# Altium PCB MB1635.PcbDoc (part 4 of 10)
Units mm, origin at the board's own origin, x right, y up, seen from the top; angles counter-clockwise.
Board outline 127 x 97 mm, 6 copper layers (Top Layer, Signal Layer 1, Signal Layer 2, Signal Layer 3, Signal Layer 4, Bottom Layer), stack 1.557 mm thick; 593 components, 478 nets, 2435 pads, 1743 vias.
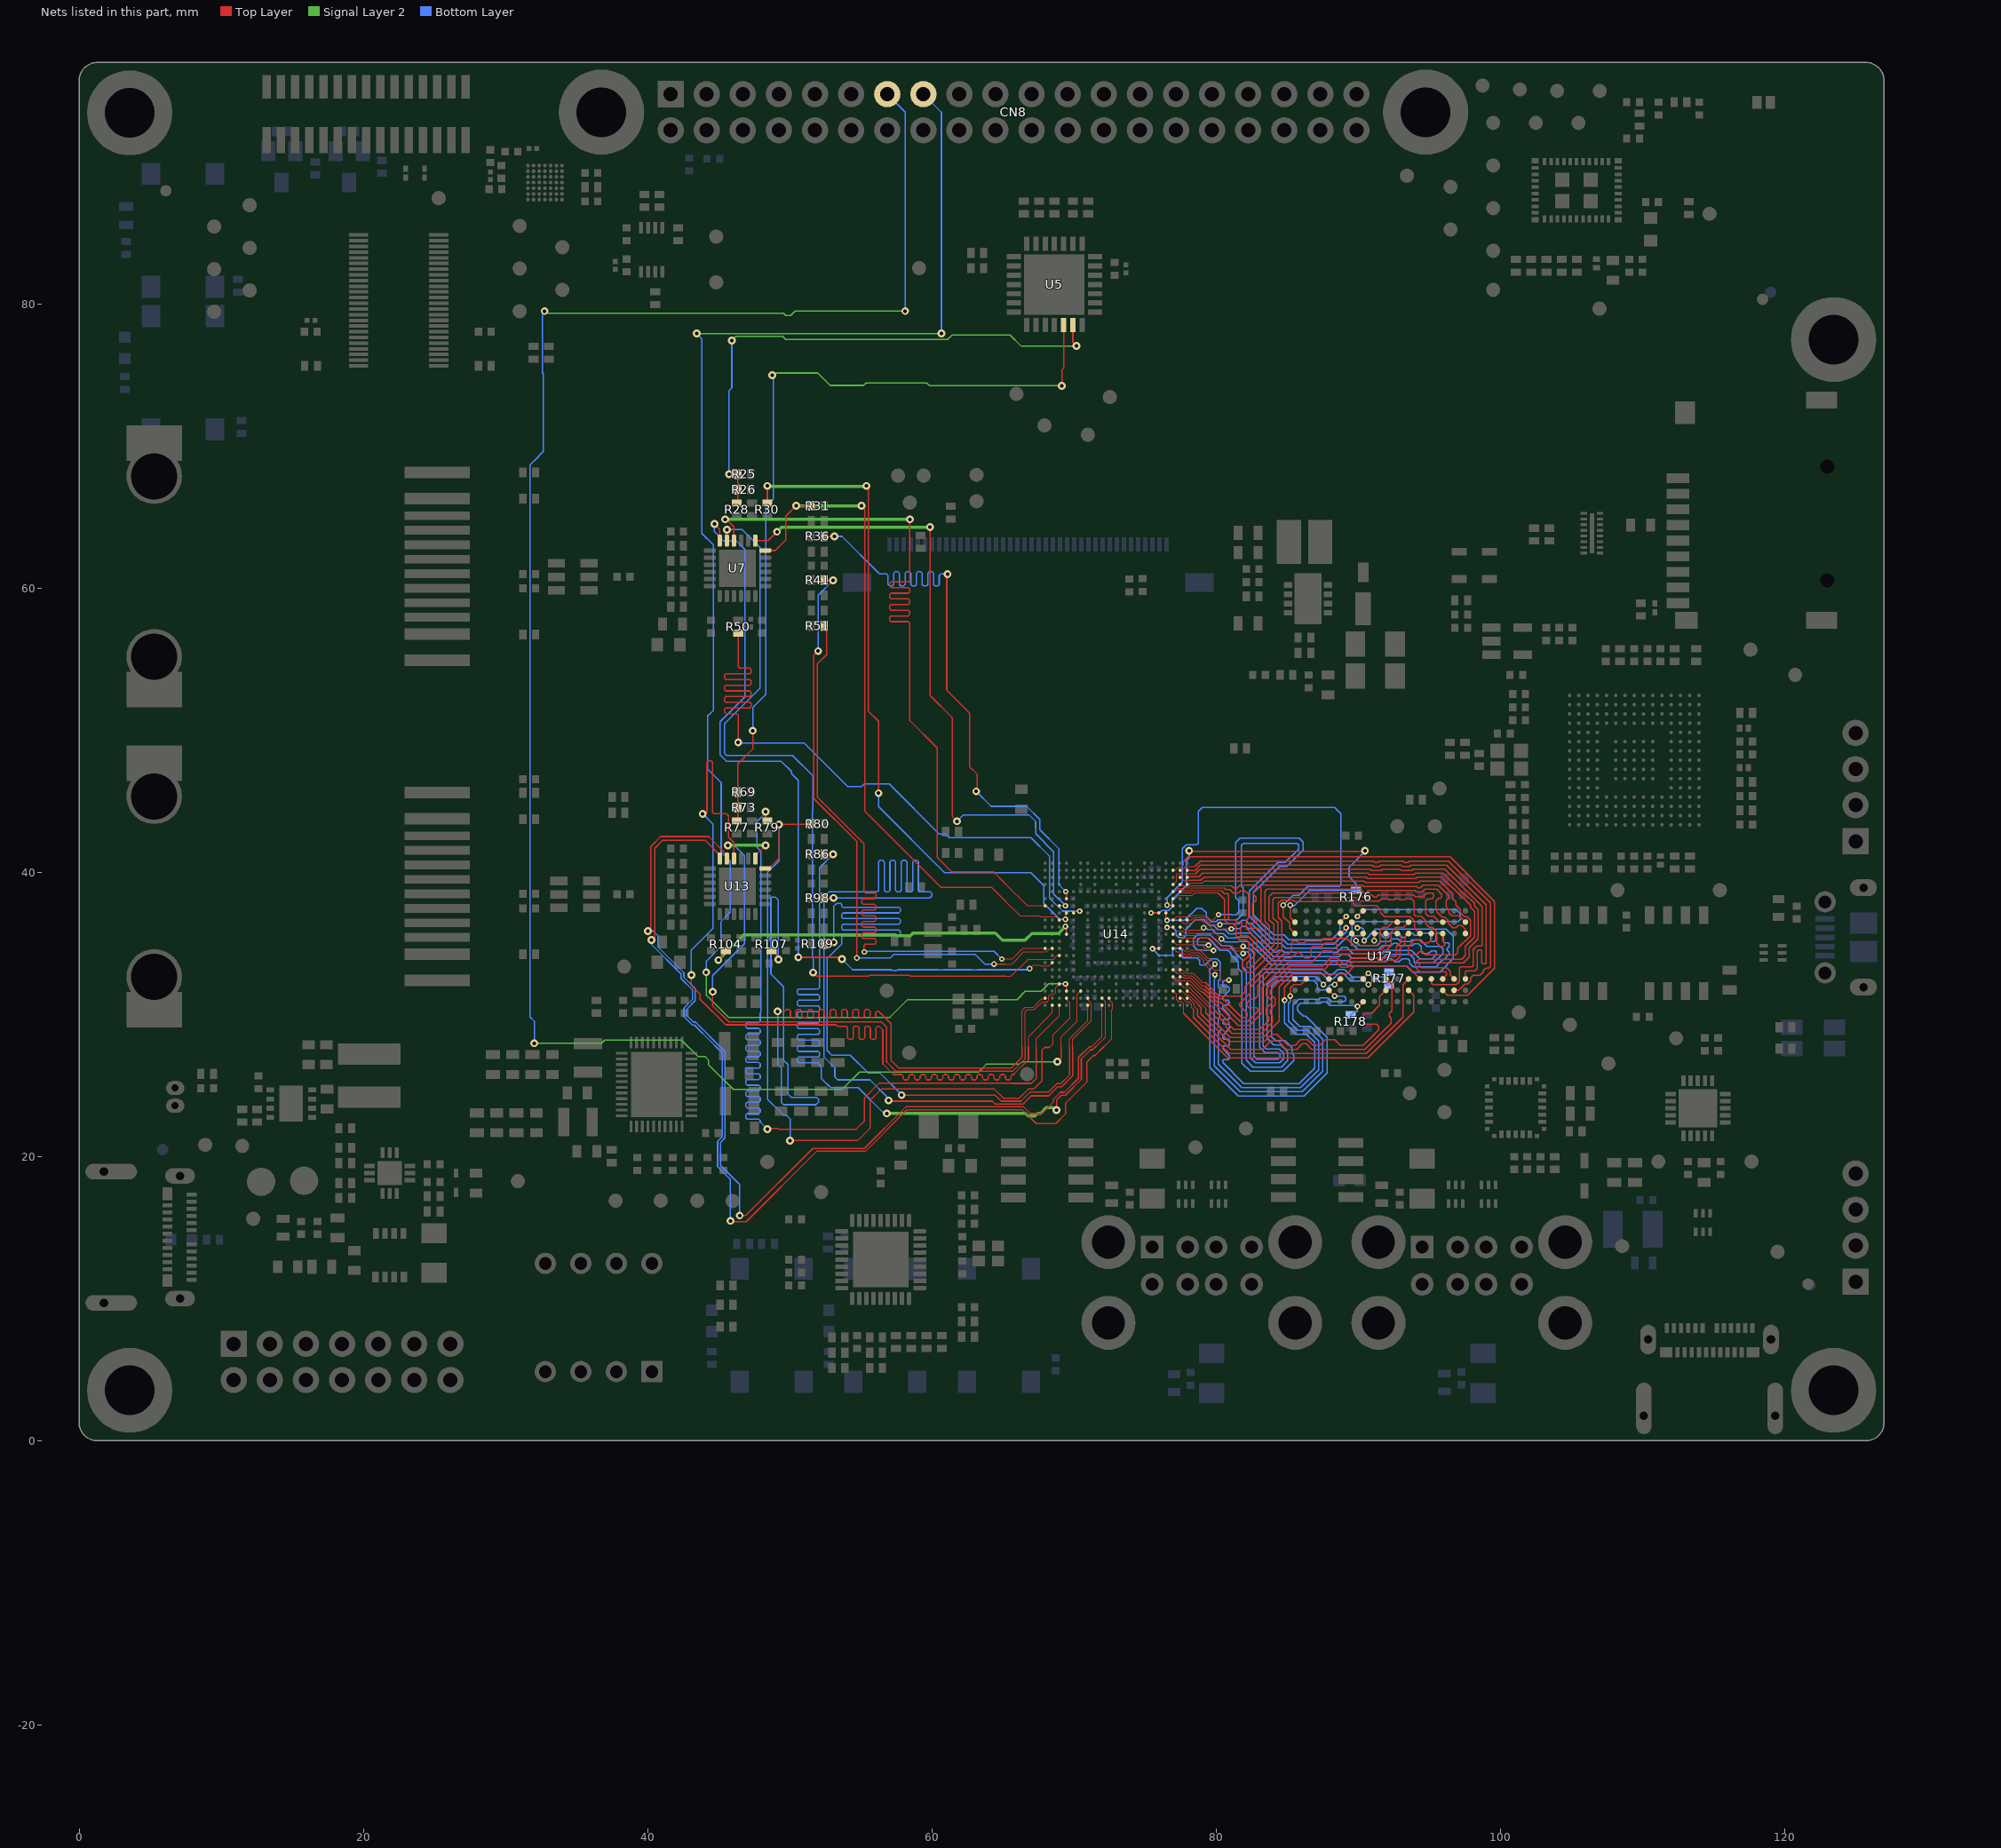
[diagram p8: the nets of this part, all layers, seen from the top]

## Via types
v1: diameter 0.55, hole 0.25, Top Layer to Bottom Layer, 1438 vias
v2: diameter 0.4, hole 0.2, Top Layer to Bottom Layer, 276 vias
v3: diameter 0.26, hole 0.1, Top Layer to Signal Layer 1, tented both sides, 29 vias

## Nets (pads, with @x,y where several pads share a name; then routed paths per layer and width w, separated by ;. In a path a pad name is that pad's centre, name@x,y a point inside that pad or via, vN(x,y) a via of type N, cw(c..) or ccw(c..) an arc to the next point about the centre after c; other vN are vias at no path point) (continued)
DDR_A11: U14.N17 U17.R7 | length 31.2
  Top Layer w0.09: v2(75.525,34.625) 75.538,34.638 75.962,34.638 U14.N17@75.975,34.65 ; v2(85.225,31.3) 85.211,31.314 85.211,31.84 85.475,32.104 85.974,32.104 86.35,32.48 U17.R7@86.35,32.5
  Bottom Layer w0.09: v2(75.525,34.625) 75.978,34.173 76.873,34.173 76.951,34.251 76.951,34.551 77.05,34.65 77.525,34.65 77.625,34.55 77.625,34.05 77.7,33.975 78.675,33.975 78.85,33.8 78.85,33.55 78.925,33.475 79.225,33.475 79.65,33.9 80.063,33.9 80.27,33.693 80.27,32.47 80.171,32.371 80.171,31.93 80.25,31.851 80.25,31.4 80.171,31.321 80.171,30.319 80.257,30.232 80.257,29.793 80.171,29.706 80.171,29.179 80.331,29.019 80.331,28.924 80.171,28.764 80.171,26.496 81.819,24.849 85.953,24.849 87.22,26.115 87.22,28.148 86.478,28.89 85.737,28.89 85.1,29.527 85.1,30.783 85.225,30.908 v2(85.225,31.3)
DDR_A12: U14.M19 U17.N7 | length 31.3
  Top Layer w0.075: U14.M19@76.98,35.145 77.225,34.9 78.962,34.9 79.332,34.53 79.795,34.53 v2(79.825,34.5)
  Top Layer w0.1: v2(87.55,32.1) U17.N7@87.95,32.5
  Bottom Layer w0.09: v2(79.825,34.5) 79.065,34.5 79.01,34.555 78.685,34.555 78.41,34.83 78.41,35.345 78.745,35.68 79.532,35.68 80.244,34.969 ; 80.249,34.974 80.413,34.81 80.963,34.81 81.335,34.438 81.335,34.358 81.865,33.828 81.865,33.34 82.115,33.09 82.115,26.776 82.593,26.299 84.587,26.299 85.04,26.751 85.04,27.399 84.574,27.865 84.055,27.865 83.61,28.31 83.61,32.09 84.185,32.665 87.008,32.665 87.55,32.123 v2(87.55,32.1)
DDR_A13: U14.G19 U17.T3 | length 30.7
  Top Layer w0.09: v2(84.725,37.7) 84.725,36.897 85.175,36.447 85.175,36.065 U17.T3@85.545,35.695
  Top Layer w0.1: v2(76.55,37.7) 76.925,37.7 U14.G19@76.975,37.65
  Bottom Layer w0.09: v2(76.55,37.7) 76.55,38.237 77.625,39.312 77.625,41.675 77.896,41.946 78.639,41.946 78.745,42.052 78.745,43.125 78.745,44.295 79.02,44.57 88.33,44.57 88.775,44.125 88.775,39.125 88.67,39.02 86.453,39.02 85.808,38.375 85.4,38.375 v2(84.725,37.7)
DDR_A14: U14.N19 U17.T7 | length 30.9
  Top Layer w0.075: U14.N19@76.975,34.65 77.225,34.4 77.573,34.4 77.642,34.331 77.693,34.331 77.789,34.234 77.802,34.234 77.866,34.234 78.147,34.234 78.267,34.355 78.786,34.355 79.425,33.716 79.425,33.559 79.839,33.145 80.18,33.145 80.27,33.055 80.27,32.48 80.325,32.425 v2(80.9,32.425)
  Top Layer w0.09: v2(84.825,31) 84.825,31.901 85.424,32.5 U17.T7@85.55,32.5
  Bottom Layer w0.09: v2(80.9,32.425) 80.635,32.425 80.461,32.251 80.461,32.05 80.536,31.975 80.825,31.975 80.955,31.845 80.955,31.695 80.461,31.201 80.461,31.089 80.55,31 80.85,31 80.955,30.895 80.955,30.788 80.848,30.68 80.58,30.68 80.461,30.561 80.461,30.439 80.955,29.945 80.955,29.755 80.875,29.675 80.55,29.675 80.461,29.586 80.461,29.414 80.55,29.325 80.875,29.325 80.955,29.245 80.955,28.995 80.461,28.501 80.461,28.364 80.575,28.25 80.875,28.25 80.955,28.17 80.955,27.88 80.875,27.8 80.536,27.8 80.461,27.725 80.461,27.589 80.95,27.1 80.95,26.925 80.85,26.825 80.525,26.825 80.461,26.761 80.461,26.632 81.955,25.139 85.833,25.139 86.93,26.235 86.93,28.028 86.358,28.6 85.617,28.6 84.81,29.407 84.81,30.985 v2(84.825,31)
DDR_A15: U14.M21 U17.M7 | length 29.8
  Top Layer w0.075: U14.M21@77.975,35.15 78,35.125 79.225,35.125 v2(79.475,34.875)
  Top Layer w0.09: v2(88.35,32.1) U17.M7@88.75,32.5
  Bottom Layer w0.09: v2(79.475,34.875) 78.775,34.875 78.7,34.95 78.7,35.225 78.85,35.375 79.438,35.375 80.293,34.52 80.843,34.52 81.045,34.318 81.045,34.238 81.575,33.708 81.575,33.22 81.825,32.97 81.825,26.58 82.396,26.009 84.707,26.009 85.457,26.759 85.457,27.132 85.33,27.26 85.33,27.656 84.831,28.155 84.175,28.155 83.9,28.43 83.9,31.97 84.305,32.375 86.888,32.375 87.125,32.138 87.125,31.875 87.26,31.74 87.69,31.74 88.05,32.1 v2(88.35,32.1)
DDR_BA0: U14.J19 U17.M2 | length 30.8
  Top Layer w0.075: U14.J19@76.97,36.645 77.175,36.85 77.222,36.897 78.287,36.897 78.29,36.9 78.293,36.9 78.386,36.993 79.059,36.993 79.164,36.889 79.324,36.889 79.532,36.68 79.818,36.68 80.163,37.025 v2(80.175,37.025)
  Top Layer w0.09: U17.M2@88.745,36.495 v2@89.145,36.895
  Bottom Layer w0.09: v2(80.175,37.025) 81.087,37.025 81.107,37.005 81.393,37.005 81.595,37.207 81.595,38.018 81.388,38.225 81.388,42.103 81.685,42.4 85.85,42.4 86.125,42.125 86.125,41.563 84.967,40.405 84.474,40.405 82.64,38.57 82.64,37.006 84.056,35.59 84.796,35.59 85.141,35.245 88.124,35.245 88.735,35.855 88.735,36.485 v2(89.15,36.9)
DDR_BA1: U14.P20 U17.N8 | length 30.3
  Top Layer w0.075: U14.P20@77.475,34.15 77.635,34.15 77.719,34.065 78.217,34.065 78.325,34.174 78.719,34.174 79.113,33.779 79.113,33.63 79.51,33.234 79.51,33.05 79.76,32.8 v2(79.925,32.8)
  Top Layer w0.09: U17.N8@87.95,31.7 v2(88.35,31.3)
  Bottom Layer w0.09: v2(79.925,32.8) 79.925,32.55 79.87,32.495 79.87,26.387 81.699,24.559 86.073,24.559 87.51,25.995 87.51,28.268 86.623,29.155 85.882,29.155 85.405,29.632 85.405,30.678 85.812,31.085 87.25,31.085 87.325,31.16 87.863,31.16 88.113,30.91 89.035,30.91 89.125,31 89.125,31.175 89,31.3 v2(88.35,31.3)
DDR_BA2: U14.H18 U17.M3 | length 31.6
  Top Layer w0.09: U14.H18@76.475,37.15 76.475,36.784 76.55,36.709 v2(76.55,36.625) ; U17.M3@88.745,35.695 v2@89.125,36.075
  Bottom Layer w0.09: v2(76.55,36.625) 77.789,36.625 78.653,37.489 78.986,37.489 79.312,37.163 79.312,36.888 79.65,36.55 80.007,36.55 80.137,36.68 81.478,36.68 81.905,37.107 81.905,38.923 81.775,39.053 81.775,41.9 81.925,42.05 85.7,42.05 85.8,41.95 85.8,41.648 84.847,40.695 84.354,40.695 82.35,38.69 82.35,36.914 83.964,35.3 84.676,35.3 85.026,34.95 88.292,34.95 89.15,35.808 v2(89.15,36.1)
DDR_CASN: U14.L19 U17.K3 | length 30.4
  Top Layer w0.075: U14.L19@76.974,35.65 77.15,35.825 77.221,35.896 77.631,35.896 77.793,35.734 79.966,35.734 v2(80.375,35.325)
  Top Layer w0.09: U17.K3@90.35,35.7 90.387,35.662 90.387,35.237 v2(90.425,35.2)
  Bottom Layer w0.09: v2(80.375,35.325) 80.387,35.325 80.612,35.1 81.537,35.1 81.582,35.145 82.23,35.145 83.875,33.5 89.195,33.5 89.293,33.402 93.413,33.402 93.841,32.974 95.74,32.974 96.7,33.934 96.7,35.513 96.203,36.01 91.235,36.01 v2(90.425,35.2)
DDR_CKE: R178.2 U14.N20 U17.K9 | length 31.8
  Top Layer w0.075: U14.N20@77.47,34.645 77.627,34.645 77.869,34.403 78.077,34.403 78.212,34.538 78.843,34.538 79.396,33.985 79.49,33.985 v2(79.925,33.55)
  Top Layer w0.09: v2(89.95,30.575) 90.025,30.575 U17.K9@90.35,30.9
  Bottom Layer w0.09: v2(79.925,33.55) 79.925,33.525 79.58,33.18 79.58,26.267 81.579,24.269 84.3,24.269 86.193,24.268 87.8,25.875 87.8,28.388 86.318,29.87 86.145,29.87 85.915,30.1 85.912,30.1 85.705,30.307 85.705,30.568 85.932,30.795 87.37,30.795 87.445,30.87 87.743,30.87 87.993,30.62 89.905,30.62 v2(89.95,30.575) 89.95,30.225 89.91,30.185 89.708,30.185 89.498,29.975 R178.2@89.425,29.975
DDR_CLK_N: R177.2 U14.L20 U17.K7 | length 32.9
  Top Layer w0.075: U14.L20@77.496,35.64 77.526,35.64 77.601,35.565 79.611,35.565 80.335,34.841 81.086,34.841 81.269,34.658 81.758,34.658 v2(81.9,34.8)
  Top Layer w0.09: U17.K7@90.35,32.5 90.35,32.525 v2(90.725,32.9)
  Bottom Layer w0.09: v2(81.9,34.8) 81.973,34.8 82.111,34.661 82.339,34.661 82.665,34.335 82.665,27.066 82.883,26.849 84.359,26.849 84.49,26.979 84.49,27.171 84.346,27.315 83.437,27.315 83.06,27.692 83.06,32.924 83.356,33.22 83.36,33.22 ; 83.36,33.21 87.494,33.21 87.929,32.775 88.15,32.775 88.55,33.175 89.035,33.175 89.585,32.625 90.45,32.625 v2(90.725,32.9) 91,32.625 91.725,32.625 92.075,32.975 R177.2@92.175,32.975
DDR_CLK_P: R177.1 U14.M20 U17.J7 | length 33
  Top Layer w0.075: U14.M20@77.475,35.15 77.721,35.396 78.118,35.396 78.144,35.37 79.53,35.37 80.254,34.646 81.005,34.646 81.188,34.463 81.737,34.463 v2(81.9,34.3)
  Top Layer w0.09: v2(90.725,32.1) 90.75,32.1 U17.J7@91.15,32.5
  Bottom Layer w0.09: v2(81.9,34.3) 81.975,34.3 82.076,34.401 82.231,34.401 82.405,34.227 82.405,26.959 82.775,26.589 84.467,26.589 84.75,26.871 84.75,27.279 84.454,27.575 83.544,27.575 83.32,27.799 83.32,32.816 83.453,32.95 87.38,32.95 87.386,32.95 87.821,32.515 88.258,32.515 88.658,32.915 88.927,32.915 89.477,32.365 90.46,32.365 v2(90.725,32.1) ; R177.1@92.175,32.075 92.017,32.075 91.727,32.365 91.015,32.365 v2@90.75,32.1 ; v2(90.725,32.1) v2@90.75,32.1 ; v2(90.725,32.1) v2@90.75,32.1
DDR_CSN: U14.J20 U17.L2 | length 30.3
  Top Layer w0.075: U14.J20@77.47,36.645 77.715,36.4 78.274,36.4 78.527,36.653 78.918,36.653 79.023,36.549 79.183,36.549 79.706,36.026 ; 79.706,36.02 79.815,36.02 79.855,35.98 80.413,35.98 80.458,36.025 v2(81.075,36.025)
  Top Layer w0.09: U17.L2@89.545,36.495 v2(89.945,36.095)
  Bottom Layer w0.09: v2(81.075,36.025) 81.645,36.025 81.82,36.2 82.1,36.2 82.275,36.025 82.474,36.025 84.129,34.37 84.245,34.37 84.378,34.503 84.653,34.503 84.786,34.37 88.532,34.37 88.887,34.725 89.2,34.725 89.651,34.274 91.617,34.274 91.848,34.505 93.745,34.505 94.33,33.92 95.177,33.92 95.5,34.243 95.5,34.4 95.425,34.475 95.15,34.475 94.95,34.275 94.55,34.275 94.425,34.4 94.425,34.802 94.252,34.975 93.935,34.975 93.81,34.85 92.89,34.85 92.732,35.007 92.478,35.007 92.321,34.85 91.711,34.85 91.425,34.565 89.96,34.565 89.5,35.025 89.5,35.338 89.702,35.54 90.24,35.54 90.4,35.7 90.4,35.95 90.255,36.095 v2(89.945,36.095)
DDR_DQ0: U14.B21 U17.A7 | length 30.9
  Top Layer w0.09: U14.B21@77.97,40.145 78.52,40.145 78.89,40.515 81.275,40.515 90.977,40.515 91.073,40.42 91.505,40.42 91.6,40.515 93.043,40.515 93.138,40.42 93.625,40.42 93.72,40.515 96.222,40.515 99.015,37.721 99.015,33.64 98.94,33.565 98.753,33.565 98.7,33.617 98.7,34.484 98.647,34.536 98.465,34.536 98.375,34.446 98.375,33.219 98.215,33.06 97.635,33.06 97.539,32.964 97.539,32.501 U17.A7@97.545,32.495
DDR_DQ1: U14.B20 U17.B8 | length 31.4
  Top Layer w0.075: U14.B20@77.475,40.15 77.485,40.16 77.636,40.16 77.876,40.4 78.513,40.4
  Top Layer w0.09: 78.513,40.4 78.918,40.805 91.098,40.805 91.193,40.71 91.377,40.71 91.472,40.805 93.163,40.805 93.258,40.71 93.505,40.71 93.6,40.805 96.342,40.805 99.305,37.842 99.305,33.39 99.19,33.275 98.975,33.275 98.8,33.1 98.8,33 98.57,32.77 98.085,32.77 97.895,32.58 97.895,32.351 97.689,32.145 97.495,32.145 97.05,31.7 U17.B8@96.75,31.7
DDR_DQ2: U14.D19 U17.D7 | length 32.7
  Top Layer w0.075: U14.D19@76.97,39.145 77.221,39.396 77.221,39.856 77.265,39.9 78.555,39.9
  Top Layer w0.09: 78.555,39.9 78.88,40.225 81.275,40.225 90.829,40.225 90.924,40.13 91.625,40.13 91.72,40.225 92.923,40.225 93.018,40.13 93.775,40.13 93.87,40.225 96.101,40.225 98.725,37.601 98.725,34.9 98.652,34.826 98.345,34.826 98.085,34.566 98.085,33.404 98.032,33.351 97.217,33.351 97.14,33.274 97.14,32.323 96.917,32.1 95.254,32.1 95.15,32.204 U17.D7@95.15,32.5
DDR_DQ3: U14.E19 U17.A3 | length 32.6
  Top Layer w0.075: U14.E19@76.996,38.671 77.15,38.671 77.228,38.75 77.228,38.752 77.373,38.897 77.603,38.897 77.765,38.735 77.805,38.735 78.147,38.735 78.312,38.9 80.575,38.9
  Top Layer w0.09: 80.575,38.9 80.7,38.775 80.98,38.775 81.23,38.525 81.54,38.525 81.717,38.702 82.036,38.702 82.275,38.463 82.275,36.775 82.115,36.615 82.115,36.07 82.888,35.298 82.888,34.598 83.015,34.47 83.225,34.47 83.759,35.005 83.759,36.223 83.435,36.547 83.435,38.677 83.572,38.815 90.165,38.815 90.43,38.55 90.522,38.55 90.692,38.72 93.99,38.72 94.085,38.625 94.49,38.625 94.68,38.815 95.517,38.815 95.885,38.447 95.885,38.247 95.832,38.195 95.675,38.195 95.48,37.999 95.48,37.45 95.525,37.404 95.525,37.219 95.9,36.845 96.09,36.845 96.345,36.59 96.345,36.4 96.647,36.098 96.873,36.098 97.025,36.25 97.291,36.25 97.55,35.991 U17.A3@97.55,35.7
DDR_DQ4: U14.B19 U17.C8 | length 33.7
  Top Layer w0.075: U14.B19@76.975,40.15 76.985,40.16 77.136,40.16 77.373,40.397 77.589,40.397 77.725,40.532 77.725,40.773
  Top Layer w0.09: 77.725,40.773 78.047,41.095 79.4,41.095 96.462,41.095 99.595,37.962 99.595,33.254 97.694,31.354 96.296,31.354 U17.C8@95.95,31.7
DDR_DQ5: U14.D20 U17.A2 | length 32
  Top Layer w0.075: U14.D20@77.484,39.131 77.637,39.131 77.865,38.904 78.077,38.904 78.248,39.075 80.5,39.075 80.502,39.077 80.648,39.077 80.65,39.075 81.075,39.075
  Top Layer w0.09: 81.075,39.075 81.3,38.85 81.455,38.85 81.705,39.1 82.775,39.1 82.85,39.025 82.85,38.875 82.617,38.642 82.617,38.433 82.803,38.247 82.803,38.028 82.565,37.79 82.565,36.91 82.85,36.625 82.85,36.5 82.795,36.445 82.47,36.445 82.405,36.38 82.405,36.19 82.525,36.07 83.005,36.07 83.178,35.897 83.178,35.078 83.23,35.025 83.37,35.025 83.469,35.125 83.469,36.102 83.145,36.427 83.145,39.045 83.205,39.105 90.285,39.105 90.38,39.01 94.11,39.01 94.205,38.915 94.37,38.915 94.56,39.105 95.638,39.105 96.379,38.363 96.379,38.203 96.175,37.999 96.175,37.56 96.387,37.348 96.387,37.172 96.604,36.955 97.085,36.955 U17.A2@97.545,36.495
DDR_DQ6: U14.E20 U17.C2 | length 32
  Top Layer w0.075: U14.E20@77.492,38.623 77.637,38.623 77.695,38.566 77.875,38.566 ; 77.875,38.566 78.217,38.566 78.227,38.575 78.383,38.731 80.364,38.731 80.364,38.729 80.364,38.723
  Top Layer w0.09: 80.377,38.723 80.58,38.52 80.825,38.52 80.885,38.46 80.885,36.765 80.975,36.675 81.325,36.675 81.477,36.523 81.727,36.523 81.825,36.425 81.825,36.2 81.71,36.085 81.71,35.615 81.785,35.54 82.235,35.54 82.598,35.177 82.598,34.477 82.725,34.35 82.725,34.155 82.165,33.595 82.165,33.329 82.218,33.276 82.441,33.276 84.049,34.884 84.049,36.343 83.725,36.667 83.725,38.29 83.96,38.525 90.045,38.525 90.31,38.26 90.642,38.26 90.812,38.43 90.957,38.43 91.127,38.26 91.266,38.26 91.436,38.43 92.208,38.43 93.87,38.43 94.025,38.275 94.55,38.275 94.8,38.525 95.25,38.525 95.325,38.45 95.325,38.275 95.195,38.145 94.902,38.145 94.75,37.993 94.75,37.1 94.95,36.9 95.2,36.9 ; 95.2,36.9 95.325,36.9 95.685,36.54 95.91,36.54 U17.C2@95.95,36.5
DDR_DQ7: U14.F19 U17.C3 | length 32.8
  Top Layer w0.075: U14.F19@76.989,38.164 77.138,38.164 77.372,38.397 78.324,38.397 78.49,38.562 80.143,38.562 80.143,38.559 80.149,38.559 80.153,38.554
  Top Layer w0.09: 80.153,38.554 80.158,38.554 80.595,38.118 80.595,36.645 80.865,36.375 81.215,36.375 81.42,36.17 81.42,35.48 81.65,35.25 82.115,35.25 82.308,35.057 82.308,34.148 81.875,33.715 81.875,33.199 82.088,32.986 82.561,32.986 84.339,34.764 84.339,36.463 84.015,36.787 84.015,38.115 84.135,38.235 89.875,38.235 ; 89.9,38.21 90.14,37.97 91.475,37.97 91.645,38.14 92.088,38.14 92.171,38.056 92.518,38.056 92.602,38.14 92.888,38.14 92.953,38.075 93.266,38.075 93.331,38.14 93.75,38.14 93.947,37.943 93.947,37.028 94.075,36.9 94.45,36.9 94.745,36.605 94.745,36.4 95,36.145 95.215,36.145 95.525,35.835 95.525,35.046 95.771,34.8 96,34.8 96.1,34.9 96.1,35.08 95.95,35.23 U17.C3@95.95,35.7
DDR_DQ8: U14.T20 U17.E3 | length 24.3
  Top Layer w0.075: U14.T20@77.48,33.135 77.634,33.135 77.865,32.903 78.185,32.903 78.375,32.903 79.034,32.244 79.256,32.244
  Top Layer w0.09: 79.256,32.244 80.2,31.3 81.735,31.3 82.025,31.59 82.025,31.95 84.629,34.554 84.629,36.583 84.38,36.832 84.38,37.843 84.582,38.045 85.43,38.045 85.53,37.945 89.564,37.945 89.829,37.68 91.287,37.68 91.57,37.396 91.57,37.175 91.85,36.895 93.65,36.895 93.965,36.58 93.965,36.085 U17.E3@94.345,35.705
DDR_DQ9: U14.U20 U17.H3 | length 22.2
  Top Layer w0.075: U14.U20@77.47,32.645 77.643,32.645 77.723,32.565 78.235,32.565 79,31.8 79.15,31.8
  Top Layer w0.09: 79.15,31.8 80.088,30.863 80.338,30.863 81.69,29.51 82.22,29.51 82.95,30.24 82.95,30.375 82.85,30.475 82.325,30.475 82.175,30.625 82.175,30.825 82.413,31.063 82.688,31.063 82.95,31.325 82.95,32.04 84.88,33.97 85.295,33.97 85.675,34.35 85.875,34.35 86.255,33.97 86.55,33.97 86.7,34.12 86.7,34.675 86.81,34.785 87.435,34.785 87.687,35.037 88.373,35.037 88.5,34.91 88.5,34.625 88.575,34.55 89.592,34.55 91.599,34.55 91.945,34.896 U17.H3@91.945,35.695
DDR_DQ10: U14.T19 U17.G2 | length 22.9
  Top Layer w0.075: U14.T19@76.975,33.15 77.225,32.9 77.628,32.9 77.794,32.734 78.305,32.734 79.039,32 79.225,32
  Top Layer w0.09: 79.225,32 80.116,31.109 80.516,31.109 81.825,29.8 82.1,29.8 82.175,29.875 82.175,30.1 81.65,30.625 81.65,30.765 82.4,31.515 82.4,31.9 84.76,34.26 85.11,34.26 85.3,34.45 85.3,35.04 85.439,35.178 85.675,35.178 85.828,35.025 86.175,35.025 86.328,35.178 87.419,35.178 87.578,35.337 89.188,35.337 89.5,35.025 89.5,34.9 89.56,34.84 89.712,34.84 91.278,34.84 91.39,34.84 91.548,34.998 91.548,35.923 91.75,36.125 92.075,36.125 92.445,36.495 U17.G2@92.745,36.495
DDR_DQ11: U14.W20 U17.H8 | length 21.9
  Top Layer w0.075: U14.W20@77.48,31.635 77.634,31.635 77.872,31.396 78.079,31.396 78.75,30.725
  Top Layer w0.09: 78.75,30.725 78.75,30.675 78.95,30.475 78.95,30.045 80.895,28.1 83.424,28.1 83.932,28.608 84.297,28.608 85.075,27.83 85.555,27.83 85.95,28.225 86.455,28.225 86.85,27.83 87.28,27.83 87.675,28.225 88.355,28.225 88.75,27.83 90.339,27.83 91.425,28.916 91.425,29.168 91.268,29.325 90.5,29.325 90.375,29.45 90.375,29.967 90.483,30.075 90.925,30.075 91.5,30.65 91.5,31.25 U17.H8@91.95,31.7 U17.H8@91.925,31.7
DDR_DQ12: U14.W19 U17.F8 | length 22.5
  Top Layer w0.075: U14.W19@76.975,31.65 77.225,31.4 77.225,31.026 77.348,30.903 77.569,30.903 77.721,30.752 77.721,30.548 77.706,30.533 77.706,30.059
  Top Layer w0.09: 77.706,30.059 80.04,27.725 80.805,26.96 90.699,26.96 93.895,30.156 93.895,31.345 U17.F8@93.545,31.695
DDR_DQ13: U14.U19 U17.F2 | length 22.8
  Top Layer w0.075: U14.U19@76.975,32.65 77.229,32.396 78.154,32.396 78.95,31.6 79.075,31.6
  Top Layer w0.09: 79.075,31.6 80.218,30.457 80.332,30.457 81.57,29.22 82.34,29.22 83.24,30.12 83.24,31.9 85.02,33.68 86.727,33.68 87.523,34.475 88.1,34.475 88.315,34.26 89.675,34.26 91.325,34.26 91.719,34.26 92.32,34.861 92.32,35.795 92.65,36.125 93.175,36.125 U17.F2@93.545,36.495
DDR_DQ14: U14.Y21 U17.H7 | length 21.2
  Top Layer w0.075: U14.Y21@77.992,31.123 78.101,31.123 78.475,30.749 78.475,30.575 78.675,30.375
  Top Layer w0.09: 78.675,30.375 78.675,29.91 80.86,27.725 81.046,27.54 83.274,27.54 83.859,28.125 84.37,28.125 84.955,27.54 85.675,27.54 86.07,27.935 86.335,27.935 86.73,27.54 90.459,27.54 92.3,29.381 92.3,29.775 92.175,29.9 92.175,30.066 92.37,30.261 92.37,32.07 U17.H7@91.945,32.495
DDR_DQ15: U14.Y20 U17.F7 | length 21.7
  Top Layer w0.075: U14.Y20@77.474,31.15 77.625,31.15 77.872,30.903 78.072,30.903 78.288,30.688 78.288,30.492 78.4,30.379
  Top Layer w0.09: 78.414,30.365 78.414,30.085 78.4,30.071 78.4,29.775 80.45,27.725 80.925,27.25 90.579,27.25 93.15,29.821 93.15,32.1 U17.F7@93.55,32.5
DDR_DQM0: U14.D21 U17.D3 | length 31.1
  Top Layer w0.075: U14.D21@77.956,39.143 78.074,39.143 78.201,39.27 79.045,39.27 79.17,39.395
  Top Layer w0.09: 79.17,39.395 81.275,39.395 90.405,39.395 90.5,39.3 94.253,39.3 94.348,39.395 95.758,39.395 96.669,38.484 96.669,38.144 96.87,37.943 96.87,37.7 97.195,37.375 97.195,37.15 97.463,36.882 97.653,36.882 97.895,36.64 97.895,35.55 96.995,34.65 96.995,34.32 96.86,34.185 94.765,34.185 94.525,34.425 94.325,34.425 94.085,34.185 93.665,34.185 93.525,34.325 93.525,34.8 93.95,35.225 94.3,35.225 94.495,35.03 94.93,35.03 95.145,35.245 U17.D3@95.145,35.695